# KiCad board austin.kicad_pcb (continued)
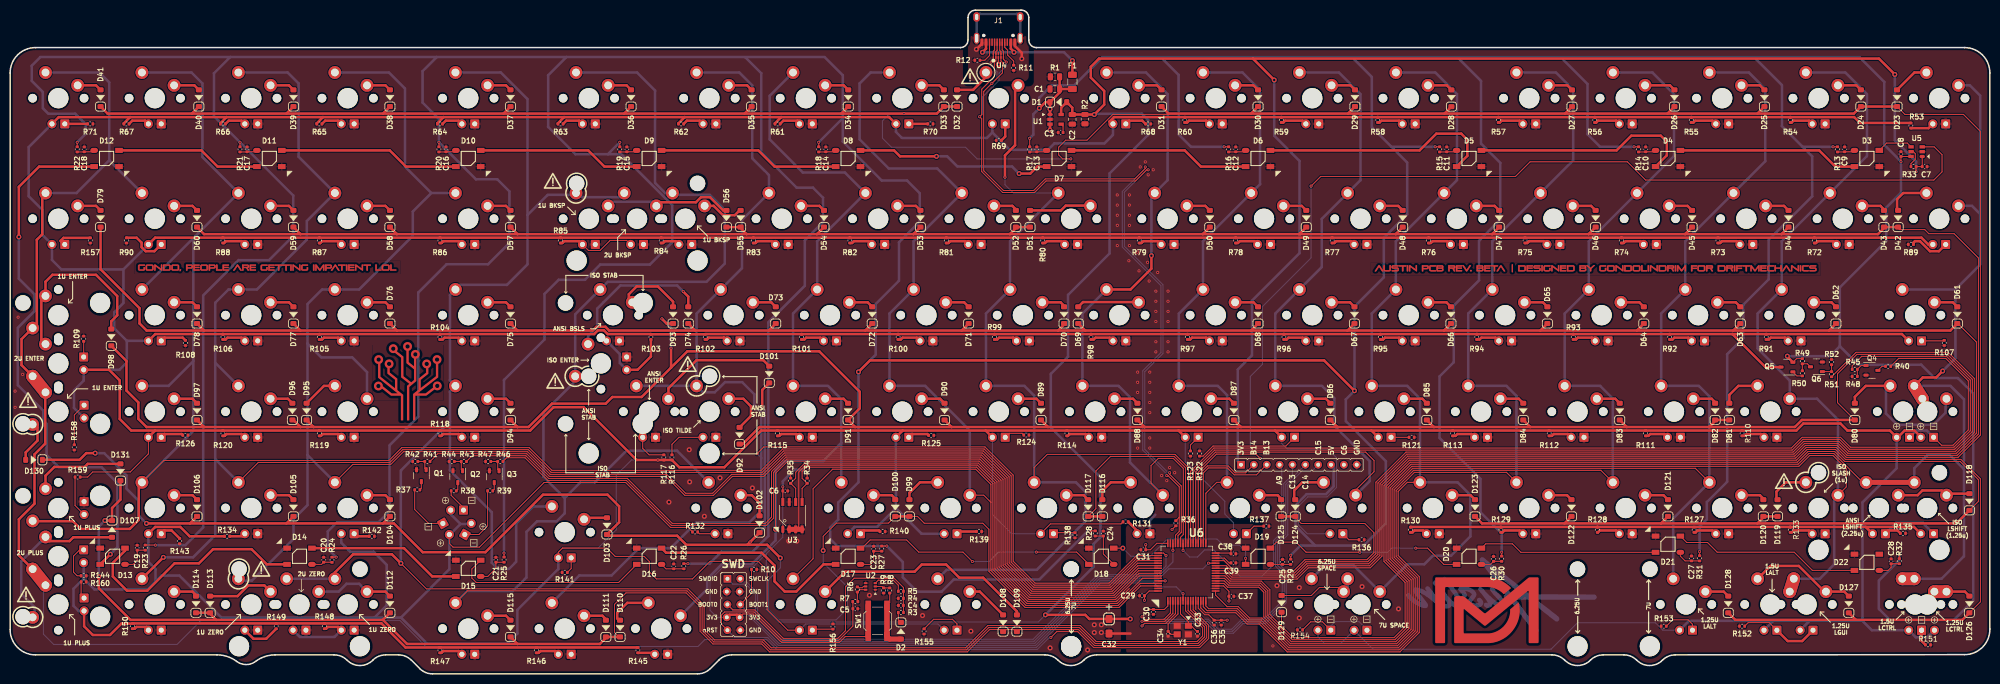
[diagram p0: board, top side]
## Placement (name value [footprint] x y rotation side) (continued)
R97  1k  [R_0402_1005Metric]  232.52 66.57 270 top
R98  1k  [R_0402_1005Metric]  213.47 66.57 270 top
R99  1k  [R_0402_1005Metric]  194.42 66.57 270 top
R100  1k  [R_0402_1005Metric]  175.37 66.57 270 top
R101  1k  [R_0402_1005Metric]  156.32 66.57 270 top
R102  1k  [R_0402_1005Metric]  137.27 66.57 270 top
R103  1k  [R_0402_1005Metric]  126.56 66.57 270 top
R104  1k  [R_0402_1005Metric]  84.89 66.57 270 top
R105  1k  [R_0402_1005Metric]  61.07 66.57 270 top
R106  1k  [R_0402_1005Metric]  42.02 66.57 270 top
R107  1k  [R_0402_1005Metric]  381.99 65.38 90 top
R108  1k  [R_0402_1005Metric]  34.62 65.37 270 top
R109  1k  [R_0402_1005Metric]  14.52 66.21 90 top
R110  1k  [R_0402_1005Metric]  342.06 47.52 270 top
R111  1k  [R_0402_1005Metric]  323.01 47.52 270 top
R112  1k  [R_0402_1005Metric]  303.96 47.52 270 top
R113  1k  [R_0402_1005Metric]  284.91 47.52 270 top
R114  1k  [R_0402_1005Metric]  208.71 47.52 270 top
R115  1k  [R_0402_1005Metric]  151.56 47.52 270 top
R116  1k  [R_0402_1005Metric]  130.71 42.76 90 top
R117  1k  [R_0402_1005Metric]  129.11 42.76 90 top
R118  1k  [R_0402_1005Metric]  84.89 47.52 270 top
R119  1k  [R_0402_1005Metric]  61.07 47.52 270 top
R120  1k  [R_0402_1005Metric]  42.02 47.52 270 top
R121  1k  [R_0402_1005Metric]  276.8 46.74 0 top
R122  1k  [R_0402_1005Metric]  234.91 43.52 90 top
R123  1k  [R_0402_1005Metric]  233.1 43.52 270 top
R124  1k  [R_0402_1005Metric]  200.7 47.19 0 top
R125  1k  [R_0402_1005Metric]  181.91 47.12 0 top
R126  1k  [R_0402_1005Metric]  34.61 47.16 0 top
R127  1k  [R_0402_1005Metric]  332.59 28.47 270 top
R128  1k  [R_0402_1005Metric]  313.49 28.47 270 top
R129  1k  [R_0402_1005Metric]  294.44 28.47 270 top
R130  1k  [R_0402_1005Metric]  276.58 28.47 270 top
R131  1k  [R_0402_1005Metric]  220.31 30.04 0 top
R132  1k  [R_0402_1005Metric]  135.28 28.04 0 top
R133  1k  [R_0402_1005Metric]  351.59 28.47 270 top
R134  1k  [R_0402_1005Metric]  42.86 27.19 0 top
R135  1k  [R_0402_1005Metric]  373.83 27.77 0 top
R136  1k  [R_0402_1005Metric]  266.92 26.49 180 top
R137  1k  [R_0402_1005Metric]  248.1 29.19 0 top
R138  1k  [R_0402_1005Metric]  210.3 27.39 270 top
R139  1k  [R_0402_1005Metric]  191.36 28.12 0 top
R140  1k  [R_0402_1005Metric]  172.31 28.12 0 top
R141  1k  [R_0402_1005Metric]  109.54 20.04 180 top
R142  1k  [R_0402_1005Metric]  71.44 27.19 0 top
R143  1k  [R_0402_1005Metric]  33.48 26.24 90 top
R144  1k  [R_0402_1005Metric]  14.52 19.39 0 top
R145  1k  [R_0402_1005Metric]  123.99 4.66 270 top
R146  1k  [R_0402_1005Metric]  103.94 4.66 270 top
R147  1k  [R_0402_1005Metric]  84.89 4.66 270 top
R148  1k  [R_0402_1005Metric]  62.07 9.42 270 top
R149  1k  [R_0402_1005Metric]  52.55 9.42 270 top
R150  1k  [R_0402_1005Metric]  24.17 9.42 270 top
R151  1k  [R_0402_1005Metric]  378.78 5.74 0 top
R152  1k  [R_0402_1005Metric]  342.06 9.42 180 top
R153  1k  [R_0402_1005Metric]  326.58 9.42 180 top
R154  1k  [R_0402_1005Metric]  254.75 8.69 180 top
R155  1k  [R_0402_1005Metric]  180.5 8.39 270 top
R156  1k  [R_0402_1005Metric]  162.5 9.35 90 top
R157  1k  [R_0402_1005Metric]  15.83 85.62 270 top
R158  1k  [R_0402_1005Metric]  12.67 44.74 270 top
R159  1k  [R_0402_1005Metric]  13.32 38.89 180 top
R160  1k  [R_0402_1005Metric]  14.52 18.19 0 top
SW1  -  [K2-1187SQ-A4SW-06]  171.32 10.47 90 top
SW2  Mechanical_Switch  [MX100]  381 113.72 0 top
SW3  Mechanical_Switch  [MX100]  357.19 113.72 0 top
SW4  Mechanical_Switch  [MX100]  338.14 113.72 0 top
SW5  Mechanical_Switch  [MX100]  319.09 113.72 0 top
SW6  Mechanical_Switch  [MX100]  300.04 113.72 0 top
SW7  Mechanical_Switch  [MX100]  276.22 113.72 0 top
SW8  Mechanical_Switch  [MX100]  257.17 113.72 0 top
SW9  Mechanical_Switch  [MX100]  238.12 113.72 0 top
SW10  Mechanical_Switch  [MX100]  219.07 113.72 0 top
SW11  Mechanical_Switch  [MX100]  195.26 113.72 0 top
SW12  Mechanical_Switch  [MX100]  176.21 113.72 0 top
SW13  Mechanical_Switch  [MX100]  157.16 113.72 0 top
SW14  Mechanical_Switch  [MX100]  138.11 113.72 0 top
SW15  Mechanical_Switch  [MX100]  114.3 113.72 0 top
SW16  Mechanical_Switch  [MX100]  90.49 113.72 0 top
SW17  Mechanical_Switch  [MX100]  66.67 113.72 0 top
SW18  Mechanical_Switch  [MX100]  47.62 113.72 0 top
SW19  Mechanical_Switch  [MX100]  28.57 113.72 0 top
SW20  Mechanical_Switch  [MX100]  9.52 113.72 0 top
SW21  Mechanical_Switch  [MX100]  381 89.91 0 top
SW22  Mechanical_Switch  [MX100]  361.95 89.91 0 top
SW23  Mechanical_Switch  [MX100]  342.9 89.91 0 top
SW24  Mechanical_Switch  [MX100]  323.85 89.91 0 top
SW25  Mechanical_Switch  [MX100]  304.8 89.91 0 top
SW26  Mechanical_Switch  [MX100]  285.75 89.91 0 top
SW27  Mechanical_Switch  [MX100]  266.7 89.91 0 top
SW28  Mechanical_Switch  [MX100]  247.65 89.91 0 top
SW29  Mechanical_Switch  [MX100]  228.6 89.91 0 top
SW30  Mechanical_Switch  [MX100]  209.55 89.91 0 top
SW31  Mechanical_Switch  [MX100]  190.5 89.91 0 top
SW32  Mechanical_Switch  [MX100]  171.45 89.91 0 top
SW33  Mechanical_Switch  [MX100]  152.4 89.91 0 top
SW34  Mechanical_Switch  [MX100]  133.35 89.91 0 top
SW35  Mechanical_Switch  [MX100]  114.3 89.91 0 top
SW36  Mechanical_Switch  [MX100]  90.49 89.91 0 top
SW37  Mechanical_Switch  [MX100]  66.67 89.91 0 top
SW38  Mechanical_Switch  [MX100]  47.62 89.91 0 top
SW39  Mechanical_Switch  [MX100]  28.57 89.91 0 top
SW40  Mechanical_Switch  [MX200]  123.82 89.91 0 top
SW41  Mechanical_Switch  [MX150]  376.24 70.86 0 top
SW42  Mechanical_Switch  [MX100]  352.42 70.86 0 top
SW43  Mechanical_Switch  [MX100]  333.37 70.86 0 top
SW44  Mechanical_Switch  [MX100]  314.32 70.86 0 top
SW45  Mechanical_Switch  [MX100]  295.27 70.86 0 top
SW46  Mechanical_Switch  [MX100]  276.22 70.86 0 top
SW47  Mechanical_Switch  [MX100]  257.17 70.86 0 top
SW48  Mechanical_Switch  [MX100]  238.12 70.86 0 top
SW49  Mechanical_Switch  [MX100]  219.07 70.86 0 top
SW50  Mechanical_Switch  [MX100]  200.02 70.86 0 top
SW51  Mechanical_Switch  [MX100]  180.97 70.86 0 top
SW52  Mechanical_Switch  [MX100]  161.92 70.86 0 top
SW53  Mechanical_Switch  [MX100]  142.87 70.86 0 top
SW54  Mechanical_Switch  [MX_ISOEnter_Horizontal]  116.68 61.34 0 top
SW55  Mechanical_Switch  [MX100]  90.49 70.86 0 top
SW56  Mechanical_Switch  [MX100]  66.67 70.86 0 top
SW57  Mechanical_Switch  [MX100]  47.62 70.86 0 top
SW58  Mechanical_Switch  [MX100]  28.57 70.86 0 top
SW59  Mechanical_Switch  [MX100]  9.52 89.91 0 top
SW60  Mechanical_Switch  [MX175]  373.86 51.81 0 top
SW61  Mechanical_Switch  [MX100]  347.66 51.81 0 top
SW62  Mechanical_Switch  [MX100]  328.61 51.81 0 top
SW63  Mechanical_Switch  [MX100]  309.56 51.81 0 top
SW64  Mechanical_Switch  [MX100]  290.51 51.81 0 top
SW65  Mechanical_Switch  [MX100]  271.46 51.81 0 top
SW66  Mechanical_Switch  [MX100]  252.41 51.81 0 top
SW67  Mechanical_Switch  [MX100]  233.36 51.81 0 top
SW68  Mechanical_Switch  [MX100]  214.31 51.81 0 top
SW69  Mechanical_Switch  [MX100]  195.26 51.81 0 top
SW70  Mechanical_Switch  [MX100]  176.21 51.81 0 top
SW71  Mechanical_Switch  [MX100]  157.16 51.81 0 top
SW72  Mechanical_Switch  [MX100]  138.11 51.81 0 top
SW73  Mechanical_Switch  [MX150]  119.06 70.86 0 top
SW74  Mechanical_Switch  [MX100]  90.49 51.81 0 top
SW75  Mechanical_Switch  [MX100]  66.67 51.81 0 top
SW76  Mechanical_Switch  [MX100]  47.62 51.81 0 top
SW77  Mechanical_Switch  [MX100]  28.57 51.81 0 top
SW78  Mechanical_Switch  [MX200VR]  9.52 61.42 0 top
SW79  Mechanical_Switch  [MX125]  378.62 51.81 0 top
SW80  Mechanical_Switch  [MX100]  185.74 32.76 0 top
SW81  Mechanical_Switch  [MX100]  166.69 32.76 0 top
SW82  Mechanical_Switch  [MX225]  126.21 51.81 0 top
SW83  Mechanical_Switch  [MX175]  140.49 32.76 0 top
SW84  Mechanical_Switch  [MX100]  109.54 28 0 top
SW85  Mechanical_Switch  [MX100]  66.67 32.76 0 top
SW86  Mechanical_Switch  [MX100]  47.62 32.76 0 top
SW87  Mechanical_Switch  [MX100]  28.57 32.76 0 top
SW88  Mechanical_Switch  [MX200VR]  9.52 23.32 0 top
SW89  Mechanical_Switch  [MX150]  185.74 13.71 0 top
SW90  Mechanical_Switch  [MX150]  157.16 13.71 0 top
SW91  Mechanical_Switch  [MX100]  128.59 8.95 0 top
SW92  Mechanical_Switch  [MX100]  109.54 8.95 0 top
SW93  Mechanical_Switch  [MX100]  66.67 13.71 0 top
SW94  Mechanical_Switch  [MX100]  47.62 13.71 0 top
SW95  Mechanical_Switch  [MX100]  28.57 13.71 0 top
SW96  Mechanical_Switch  [MX100]  90.49 8.95 0 top
SW97  Mechanical_Switch  [MX200]  57.15 13.71 0 top
SW98  Mechanical_Switch  [MX100]  223.84 32.76 0 top
SW99  Mechanical_Switch  [MX100]  204.79 32.76 0 top
SW100  Mechanical_Switch  [MX225]  369.09 32.76 0 top
SW101  Mechanical_Switch  [MX125]  378.62 32.76 0 top
SW102  Mechanical_Switch  [MX100]  357.19 32.76 0 top
SW103  Mechanical_Switch  [MX100]  338.14 32.76 0 top
SW104  Mechanical_Switch  [MX100]  319.09 32.76 0 top
SW105  Mechanical_Switch  [MX100]  300.04 32.76 0 top
SW106  Mechanical_Switch  [MX100]  280.99 32.76 0 top
SW107  Mechanical_Switch  [MX100]  261.94 32.76 0 top
SW108  Mechanical_Switch  [MX100]  242.89 32.76 0 top
SW109  Mechanical_Switch  [MX125]  378.62 13.71 0 top
SW110  Mechanical_Switch  [MX125]  354.81 13.71 0 top
SW111  Mechanical_Switch  [MX125]  330.99 13.71 0 top
SW112  Mechanical_Switch  [MX625]  259.56 13.71 0 top
SW113  Mechanical_Switch  [MX150]  376.24 13.71 0 top
SW114  Mechanical_Switch  [MX150]  347.66 13.71 0 top
SW115  Mechanical_Switch  [MX700]  266.7 13.71 0 top
SW116  Mechanical_Switch  [MX100]  9.52 51.81 90 top
SW117  Mechanical_Switch  [MX100]  9.52 70.86 90 top
SW118  Mechanical_Switch  [MX100]  9.52 13.71 90 top
SW119  Mechanical_Switch  [MX100]  9.52 32.76 90 top
U1  SPX3819M5-L-3-3  [SOT-23-5]  206.47 109.55 0 top
U2  2N7002DW  [SOT-363_SC-70-6]  169.92 17.27 180 top
U3  AT24C256C-SSHL-T  [SOIC-8]  154.51 31.26 90 top
U4  TPD4E05U06DQAR  [USON-10_2.5x1.0mm_P0.5mm]  195.18 122.16 90 top
U5  TXS0101  [SOT-23-6]  376.54 103.16 180 top
U6  STM32F401RCT6  [LQFP-64_10x10mm_P0.5mm]  232.4 20.12 90 top
X1  ARM JTAG  [PinHeader_2x5_P2.54mm_Vertical_Staggered]  142.87 13.71 0 top
X2  EXTRA_PINS  [PinHeader_1x10_P2.54mm_Vertical]  254.53 41.32 90 top
Y1  TAXM8M4RFDCET2T  [Crystal_SMD_3225-4Pin_3.2x2.5mm]  231.6 8.66 180 top

## Library data of the parts
C1 C2 = -: Manufacturer: Guangdong Fenghua Advanced Tech; Manufacturer Part Number: 0805B105K500NT; Package: C0805; Specification: 50V 1uF X7R ±10% 0805 MLCC; Vendor Part Number: LCSC C215803; ki_fp_filters: C_*
C3 C36 = -: Manufacturer: Samsung; Manufacturer Part Number: CL05B103KB5NNNC; Package: C0402; Specification: 50V 10nF X7R ±10% 0402 MLCC; Vendor Part Number: LCSC C15195; ki_fp_filters: C_*
C4 = -: Manufacturer: Samsung; Manufacturer Part Number: CL05A106MQ5NUNC; Package: C0402; Specification: 6.3V 10uF X5R ±20% 0402 MLCC; Vendor Part Number: LCSC C15525; ki_fp_filters: C_*
C5-C31 C37 C38 = -: Manufacturer: Samsung; Manufacturer Part Number: CL05B104KB54PNC; Package: C0402; Specification: 50V 100nF X7R ±10% 0402  MLCC; Vendor Part Number: LCSC C307331; ki_fp_filters: C_*
C32 = -: Manufacturer: AVX; Manufacturer Part Number: TAJA106K016RNJ; Package: C3216 (CASE A); Specification: 16V 10uF CASEA Tantallum; Vendor Part Number: LCSC C7171; ki_fp_filters: CP_*
C33 C34 = -: Manufacturer: Guangdong Fenghua Advanced Tech; Manufacturer Part Number: 0402CG150J500NT; Package: C0402; Specification: 50V 15pF C0G ±5% 0402 MLCC; Vendor Part Number: LCSC C1548; ki_fp_filters: C_*
C35 C39 = -: Manufacturer: Samsung; Manufacturer Part Number: CL05A475MP5NRNC; Package: C0402; Specification: 10V 4.7uF X5R ±20% 0402 MLCC; Vendor Part Number: LCSC C23733; ki_fp_filters: C_*
D1 = -: Manufacturer: Changjiang Electronics Tech; Package: SOD-123; Specification: 1A SOD-123 Schottky Barrier Diodes; Vendor Part Number: LCSC C8598; ki_fp_filters: TO-???* *_Diode_* *SingleDiode* D_*
D2 = -: Manufacturer: Semtech; Package: SOD-123; Specification: 400mW 1μA@75V 150mA SOD-123 small-signal witching diode; Vendor Part Number: LCSC C81598; ki_fp_filters: TO-???* *_Diode_* *SingleDiode* D_*
D3-D22 = -: Datasheet: https://cdn-shop.adafruit.com/datasheets/WS2812B.pdf; Description: Intelligente control RGB LED with integrated control circuit; Manufacturer: XINGLIGHT; Package: 5050; Vendor Part Number: LCSC C2843785; ki_fp_filters: LED*WS2812*PLCC*5.0x5.0mm*P3.2mm*
D23-D129 = -: Description: Small signal switching diode; Manufacturer: Semtech; Package: SOD-123; Specification: SOD-123 small signal switching diode; Vendor Part Number: LCSC C81598; ki_fp_filters: TO-???* *_Diode_* *SingleDiode* D_*
D130 D131 = -: Description: Small signal switching diode; Package: SOD-123; Specification: SOD-123 small signal switching diode; Vendor Part Number: LCSC C81598; Manufacturer: Semtech; ki_fp_filters: TO-???* *_Diode_* *SingleDiode* D_*
F1 = -: Manufacturer: TECHFUSE; Package: F1206; Specification: 1A hold, 1.8A trip PTC resettable fuse; Vendor Part Number: LCSC C70082; ki_fp_filters: *Fuse*
GR1-GR3 GR3#2-GR3#4 GR4-GR10 = -: ki_fp_filters: MountingHole*
J1 = -: Datasheet: https://www.usb.org/sites/default/files/documents/usb_type-c.zip; Description: 16-pin USB type C female connector; Manufacturer: Korean Hroparts; Vendor Part Number: LCSC C2760486; ki_fp_filters: USB*C*Receptacle*
Q1-Q4 Q6 = -: Datasheet: https://www.onsemi.com/pub/Collateral/NDS7002A-D.PDF; Manufacturer: Changjiang Electronics Tech; Package: SOT-23; Specification: N-channel signal MOSFET transistor; Vendor Part Number: LCSC C8545; ki_fp_filters: SOT?23*
Q5 = -: Datasheet: http://www.aosmd.com/pdfs/datasheet/AO3401A.pdf; Manufacturer Part Number: Alpha & Omega Semicon; Package: SOT-23; Specification: P-channel power MOSFET transistor; Vendor Part Number: LCSC C15127; ki_fp_filters: SOT?23*
R1 R2 = -: Manufacturer: Uniroyal; Manufacturer Part Number: 0805W8F1003T5E; Package: R0805; Specification: ±1% 125mW Thick Film R0805 Resistors; Vendor Part Number: LCSC C149504; ki_fp_filters: R_*
R3 = -: Manufacturer: Uniroyal; Manufacturer Part Number: 0402WGF3303TCE; Package: R0402; Specification: ±1% 1/16W Thick Film Resistors 50V 0402; Vendor Part Number: LCSC C25778; ki_fp_filters: R_*
R4 = -: Manufacturer: Uniroyal; Manufacturer Part Number: 0402WGF1004TCE; Package: R0402; Specification: ±1% 1/16W Thick Film Resistors 50V 0402; Vendor Part Number: LCSC C26083; ki_fp_filters: R_*
R5 R9 R10 R33 R42 R44 R47-R49 R52 = -: Manufacturer: Uniroyal; Manufacturer Part Number: 0402WGF1002TCE; Package: R0402; Specification: ±1% 1/16W Thick Film Resistors 50V 0402; Vendor Part Number: LCSC C25744; ki_fp_filters: R_*
R6-R8 R41 R43 R45 R46 R50 R51 = -: Manufacturer: Uniroyal; Manufacturer Part Number: 0402WGF1000TCE; Package: R0402; Specification: ±1% 1/16W Thick Film Resistors 50V 0402; Vendor Part Number: LCSC C25076; ki_fp_filters: R_*
R11 R12 = -: Manufacturer: Uniroyal; Manufacturer Part Number: 0402WGF5101TCE; Package: R0402; Specification: ±1% 1/16W Thick Film Resistors 50V 0402; Vendor Part Number: LCSC C25905; ki_fp_filters: R_*
R13-R32 = -: Manufacturer: Uniroyal; Manufacturer Part Number: 0402WGF510KTCE; Package: R0402; Specification: ±1% 1/16W Thick Film Resistors 50V 0402; Vendor Part Number: LCSC C25128; ki_fp_filters: R_*
R34 R35 = -: Manufacturer: Uniroyal; Manufacturer Part Number: 0402WGF4701TCE; Package: R0402; Specification: ±1% 1/16W Thick Film Resistors 50V 0402; Vendor Part Number: LCSC C25900; ki_fp_filters: R_*
R36 = -: Manufacturer: Uniroyal; Manufacturer Part Number: 0402WGF1501TCE; Package: R0402; Specification: ±1% 1/16W Thick Film Resistors 50V 0402; Vendor Part Number: LCSC C25867; ki_fp_filters: R_*
R37-R40 R53-R143 R145-R157 = -: Manufacturer: Uniroyal; Manufacturer Part Number: 0402WGF1001TCE; Package: R0805; Specification: ±1% 1/16W Thick Film Resistors 50V 0402; Vendor Part Number: LCSC C11702; ki_fp_filters: R_*
R144 R158-R160 = -: Package: R0805; Manufacturer: Uniroyal; Manufacturer Part Number: 0402WGF1001TCE; Specification: ±1% 1/16W Thick Film Resistors 50V 0402; Vendor Part Number: LCSC C11702; ki_fp_filters: R_*
SW1 = -: Manufacturer: Korean Hroparts; Package: 5.0x5.0mm; Specification: 5.2mm 1.5mm Round Button SPST; Vendor Part Number: LCSC C92584
SW2 = -: Keycode: ESC
SW3 = -: Keycode: F1
SW4 = -: Keycode: F2
SW5 = -: Keycode: F3
SW6 = -: Keycode: F4
SW7 = -: Keycode: F5
SW8 = -: Keycode: F6
SW9 = -: Keycode: F7
SW10 = -: Keycode: F8
SW11 = -: Keycode: F9
SW12 = -: Keycode: F10
SW13 = -: Keycode: F11
SW14 = -: Keycode: F12
SW15 = -: Keycode: F13
SW16 = -: Keycode: SCRLK
SW17 = -: Keycode: PAUSE
SW18 = -: Keycode: HOME
SW19 = -: Keycode: END
SW20 = -: Keycode: DELETE
SW21 = -: Keycode: GRAVE
SW22 = -: Keycode: 1
SW23 = -: Keycode: 2
SW24 = -: Keycode: 3
SW25 = -: Keycode: 4
SW26 = -: Keycode: 5
SW27 = -: Keycode: 6
SW28 = -: Keycode: 7
SW29 = -: Keycode: 8
SW30 = -: Keycode: 9
SW31 = -: Keycode: 0
SW32 = -: Keycode: MINUS
SW33 = -: Keycode: EQL
SW34 = -: Keycode: LBKSP
SW35 = -: Keycode: RBKSP
SW36 = -: Keycode: INS
SW37 = -: Keycode: NUMLK
SW38 = -: Keycode: NSLS
SW39 = -: Keycode: NMUL
SW40 = -: Keycode: FULLBKSP
SW41 = -: Keycode: TAB
SW42 = -: Keycode: Q
SW43 = -: Keycode: W
SW44 = -: Keycode: E
SW45 = -: Keycode: R
SW46 = -: Keycode: T
SW47 = -: Keycode: Y
SW48 = -: Keycode: U
SW49 = -: Keycode: I
SW50 = -: Keycode: O
SW51 = -: Keycode: P
SW52 = -: Keycode: LBRKT
SW53 = -: Keycode: RBRKT
SW54 = -: Keycode: ISO ENTER
SW55 = -: Keycode: PGUP
SW56 = -: Keycode: N7
SW57 = -: Keycode: N8
SW58 = -: Keycode: N9
SW59 = -: Keycode: NMINUS
SW60 = -: Keycode: FULL CAPS
SW61 = -: Keycode: A
SW62 = -: Keycode: S
SW63 = -: Keycode: D
SW64 = -: Keycode: F
SW65 = -: Keycode: G
SW66 = -: Keycode: H
SW67 = -: Keycode: J
SW68 = -: Keycode: K
SW69 = -: Keycode: L
SW70 = -: Keycode: COLON
SW71 = -: Keycode: QUOTE
SW72 = -: Keycode: ISOTILDE
SW73 = -: Keycode: BSLS
SW74 = -: Keycode: PGDN
SW75 = -: Keycode: N4
SW76 = -: Keycode: N5
SW77 = -: Keycode: N6
SW78 = -: Keycode: NENTER_2U
SW79 = -: Keycode: STEPPEDCAPS
SW80 = -: Keycode: DOT
SW81 = -: Keycode: SLS
SW82 = -: Keycode: ANSI ENTER
SW83 = -: Keycode: RSFT
SW84 = -: Keycode: UP
SW85 = -: Keycode: N1
SW86 = -: Keycode: N2
SW87 = -: Keycode: N3
SW88 = -: Keycode: NPLUS
SW89 = -: Keycode: RALT
SW90 = -: Keycode: RWIN
SW91 = -: Keycode: LEFT
SW92 = -: Keycode: DOWN
SW93 = -: Keycode: L 1U ZERO
SW94 = -: Keycode: R 1U ZERO
SW95 = -: Keycode: N0
SW96 = -: Keycode: RIGHT
SW97 = -: Keycode: 2UZERO
SW98 = -: Keycode: M
SW99 = -: Keycode: COMMA
SW100 = -: Keycode: ANSI (225) SHIFT
SW101 = -: Keycode: ISO (125) SHIFT
SW102 = -: Keycode: ISOSLS
SW103 = -: Keycode: Z
SW104 = -: Keycode: X
SW105 = -: Keycode: C
SW106 = -: Keycode: V
SW107 = -: Keycode: B
SW108 = -: Keycode: N
SW109 = -: Keycode: (625) LCTRL
SW110 = -: Keycode: (625) LWIN
SW111 = -: Keycode: (625) LALT
SW112 = -: Keycode: (625) SPC
SW113 = -: Keycode: (700) RCTRL
SW114 = -: Keycode: (700) LALT
SW115 = -: Keycode: (700) SPC
SW116 = -: Keycode: NENTER_1U_DOWN
SW117 = -: Keycode: NENTER_1U_UP
SW118 = -: Keycode: NPLUS_1U_DOWN
SW119 = -: Keycode: NPLUS_1U_UP
U1 = -: Datasheet: https://datasheet.lcsc.com/lcsc/1810181735_MaxLinear-SPX3819M5-L-3-3-TR_C9055.pdf; Manufacturer: MaxLinear; Package: SOT-23-5; Specification: Fixed 3.3V 700mV @ 500mA SOT-23-5 Low Dropout Regulator; Vendor Part Number: LCSC C9055
U2 = -: Manufacturer: Infineon; Package: SOT-363; Specification: Dual N-channel enhancement mode MOSFET; Vendor Part Number: LCSC C151535
U3 = -: Datasheet: https://datasheet.lcsc.com/lcsc/1809151932_Microchip-Tech-AT24C256C-SSHL-T_C6482.pdf; Manufacturer: Microchip; Package: SOIC-8; Specification: SOIC-8 non-volatile 256Kb (32K x 8) I2C EEPROM; Vendor Part Number: LCSC C6482; ki_fp_filters: DIP*W7.62mm* SOIC*3.9x4.9mm* TSSOP*4.4x3mm*P0.65mm* DFN*3x2mm*P0.5mm*
U4 = -: Manufacturer: Texas Instruments; Package: uSON-10; Vendor Part Number: LCSC C138714; ki_fp_filters: USON*2.5x1.0mm*P0.5mm*
U5 = -: Manufacturer: Texas Instruments; Manufacturer Part Number: TXS0101DBVR; Package: SOT-23-6; Vendor Part Number: LCSC C132604
U6 = -: Datasheet: https://www.st.com/content/ccc/resource/technical/document/datasheet/9e/50/b1/5a/5f/ae/4d/c1/DM00086815.pdf/files/DM00086815.pdf/jcr:content/translations/en.DM00086815.pdf; Manufacturer: STMicroelectronics; Package: LQFP-64, 10x10mm 0.5mm pitch; Specification: 32-bit flash ARM Cortex-M4 84MHz LQFP-64_10x10x05P STMicroelectronics; Vendor Part Number: LCSC C74524
X1 = -: Specification: 2.54mm pitch 2x4 through hole pin header, staggered; ki_fp_filters: Connector*:*_2x??_*
X2 = -: ki_fp_filters: Connector*:*_1x??_*
Y1 = -: Manufacturer: TAE; Package: Y3225_4P; Specification: 8MHz 3225-4P oscillator crystal; Vendor Part Number: LCSC C403948; ki_fp_filters: Crystal*

## Footprints (pads in the part's own frame, mm; a bottom-side part is the same pattern mirrored in y, then rotated)
austin_logo_16x40_plated
  custom 5.381x4.192 smd: 1(0.508,-1.905)
  custom 23.117x15.042 smd: 1(1.778,5.08)
  custom 4.954x4.287 smd: 1(5.588,0.508)
  custom 11.309x6.272 smd: 1(10.287,-1.143)
  custom 1.175x1.223 smd: 1(12.954,2.413)
C_0402_1005Metric
  rrect 0.56x0.62 smd: 1(-0.48,0) 2(0.48,0)
C_0805_2012Metric
  rrect 1x1.45 smd: 1(-0.95,0) 2(0.95,0)
CP_EIA-3216-10_Kemet-I_Pad1.58x1.35mm_HandSolder
  rrect 1.575x1.35 smd: 1(-1.438,0) 2(1.438,0)
Crystal_SMD_3225-4Pin_3.2x2.5mm
  rect 1.4x1.2 smd: 1(-1.1,-0.85) 2(1.1,-0.85) 3(1.1,0.85) 4(-1.1,0.85)
D_SOD-123
  rrect 1x1.2 smd: 1(-1.65,0) 2(1.65,0)
driftmechanics_logo
  custom 14.957x12.998 smd: 1(-1.714,6.86)
  custom 16.668x12.996 smd: 1(9.486,6.46)
Fuse_1206_3216Metric
  rrect 1.25x1.75 smd: 1(-1.4,0) 2(1.4,0)
gondolindrim_circuit-tree_50x15mm
  custom 5.767x12.891 smd: 1(-2.388,1.27)
  custom 6.11x15.478 smd: 1(-0.102,4.521)
  custom 5.652x12.891 smd: 1(3.759,2.54)
K2-1187SQ-A4SW-06
  rect 1.8x1.1 smd: 1(-3.1,1.85) 1(3.1,1.85) 2(-3.1,-1.85) 2(3.1,-1.85)
LED_THT_2.54mm
  round 0.889 smd: (-1.27,0) (1.27,0)
  round 1.778 hole 1.016: A(-1.27,0)
  rrect 1.778x1.778 hole 0.991: K(1.27,0)
LED_WS2812B_5.0x5.0mm_P3.2mm
  rrect 1.5x1 smd: 1(-2.45,1.6)
  trapezoid 1.5x1 smd: 2(-2.45,-1.6) 3(2.45,-1.6) 4(2.45,1.6)
LQFP-64_10x10mm_P0.5mm
  rrect 1.55x0.3 smd: 1(-5.675,3.75)
  trapezoid 1.55x0.3 smd: 2(-5.675,3.25) 3(-5.675,2.75) 4(-5.675,2.25) 5(-5.675,1.75) 6(-5.675,1.25) 7(-5.675,0.75) 8(-5.675,0.25) 9(-5.675,-0.25) 10(-5.675,-0.75) 11(-5.675,-1.25) 12(-5.675,-1.75) 13(-5.675,-2.25) 14(-5.675,-2.75) 15(-5.675,-3.25) 16(-5.675,-3.75) 33(5.675,-3.75) 34(5.675,-3.25) 35(5.675,-2.75) 36(5.675,-2.25) 37(5.675,-1.75) 38(5.675,-1.25) 39(5.675,-0.75) 40(5.675,-0.25) 41(5.675,0.25) 42(5.675,0.75) 43(5.675,1.25) 44(5.675,1.75) 45(5.675,2.25) 46(5.675,2.75) 47(5.675,3.25) 48(5.675,3.75)
  trapezoid 0.3x1.55 smd: 17(-3.75,-5.675) 18(-3.25,-5.675) 19(-2.75,-5.675) 20(-2.25,-5.675) 21(-1.75,-5.675) 22(-1.25,-5.675) 23(-0.75,-5.675) 24(-0.25,-5.675) 25(0.25,-5.675) 26(0.75,-5.675) 27(1.25,-5.675) 28(1.75,-5.675) 29(2.25,-5.675) 30(2.75,-5.675) 31(3.25,-5.675) 32(3.75,-5.675) 49(3.75,5.675) 50(3.25,5.675) 51(2.75,5.675) 52(2.25,5.675) 53(1.75,5.675) 54(1.25,5.675) 55(0.75,5.675) 56(0.25,5.675) 57(-0.25,5.675) 58(-0.75,5.675) 59(-1.25,5.675) 60(-1.75,5.675) 61(-2.25,5.675) 62(-2.75,5.675) 63(-3.25,5.675) 64(-3.75,5.675)
MX100
  round 1.702 hole 1.702 unplated: (-5.08,0) (5.08,0)
  round 1.524 smd: (-2.54,5.08) (3.81,2.54)
  round 3.988 hole 3.988 unplated: (0,0)
  round 2.54 hole 1.524: 1(-2.54,5.08) 2(3.81,2.54)
MX125
  round 1.702 hole 1.702 unplated: (-5.08,0) (5.08,0)
  round 1.524 smd: (-2.54,5.08) (3.81,2.54)
  round 3.988 hole 3.988 unplated: (0,0)
  round 2.54 hole 1.524: 1(-2.54,5.08) 2(3.81,2.54)
MX150
  round 1.702 hole 1.702 unplated: (-5.08,0) (5.08,0)
  round 1.524 smd: (-2.54,5.08) (3.81,2.54)
  round 3.988 hole 3.988 unplated: (0,0)
  round 2.54 hole 1.524: 1(-2.54,5.08) 2(3.81,2.54)
MX175
  round 1.702 hole 1.702 unplated: (-5.08,0) (5.08,0)
  round 1.524 smd: (-2.54,5.08) (3.81,2.54)
  round 3.988 hole 3.988 unplated: (0,0)
  round 2.54 hole 1.524: 1(-2.54,5.08) 2(3.81,2.54)
MX200
  round 3.048 hole 3.048 unplated: (-11.938,6.985) (11.938,6.985)
  round 3.988 hole 3.988 unplated: (-11.938,-8.255) (0,0) (11.938,-8.255)
  round 1.702 hole 1.702 unplated: (-5.08,0) (5.08,0)
  round 1.524 smd: (-2.54,5.08) (3.81,2.54)
  round 2.54 hole 1.524: 1(-2.54,5.08) 2(3.81,2.54)
MX200VR
  round 3.048 hole 3.048 unplated: (-6.985,11.858) (-6.985,-12.018)
  round 1.524 smd: (-5.08,-2.62) (-2.54,3.73)
  round 1.702 hole 1.702 unplated: (0,5) (0,-5.16)
  round 3.988 hole 3.988 unplated: (0,-0.08) (8.255,11.858) (8.255,-12.018)
  round 2.54 hole 1.524: 1(-5.08,-2.62) 2(-2.54,3.73)
MX225
  round 3.048 hole 3.048 unplated: (-11.938,6.985) (11.938,6.985)
  round 3.988 hole 3.988 unplated: (-11.938,-8.255) (0,0) (11.938,-8.255)
  round 1.702 hole 1.702 unplated: (-5.08,0) (5.08,0)
  round 1.524 smd: (-2.54,5.08) (3.81,2.54)
  round 2.54 hole 1.524: 1(-2.54,5.08) 2(3.81,2.54)
MX625
  round 3.048 hole 3.048 unplated: (-50.006,6.985) (50.006,6.985)
  round 3.988 hole 3.988 unplated: (-50.006,-8.255) (0,0) (50.006,-8.255)
  round 1.702 hole 1.702 unplated: (-5.08,0) (5.08,0)
  round 1.524 smd: (-2.54,5.08) (3.81,2.54)
  round 2.54 hole 1.524: 1(-2.54,5.08) 2(3.81,2.54)
MX700
  round 3.048 hole 3.048 unplated: (-57.15,6.985) (57.15,6.985)
  round 3.988 hole 3.988 unplated: (-57.15,-8.255) (0,0) (57.15,-8.255)
  round 1.702 hole 1.702 unplated: (-5.08,0) (5.08,0)
  round 1.524 smd: (-2.54,5.08) (3.81,2.54)
  round 2.54 hole 1.524: 1(-2.54,5.08) 2(3.81,2.54)
MX_ISOEnter_Horizontal
  round 3.048 hole 3.048 unplated: (-6.985,11.938) (-6.985,-11.938)
  round 1.524 smd: (-5.08,-2.54) (-2.54,3.81)
  round 1.702 hole 1.702 unplated: (0,5.08) (0,-5.08)
  round 3.988 hole 3.988 unplated: (0,0) (8.255,11.938) (8.255,-11.938)
  round 2.54 hole 1.524: 1(-5.08,-2.54) 2(-2.54,3.81)
PinHeader_1x10_P2.54mm_Vertical
  rect 1.524x1.524 hole 0.762: 1(0,11.43)
  oval 1.524x1.524 hole 0.762: 2(0,8.89) 3(0,6.35) 4(0,3.81) 5(0,1.27) 6(0,-1.27) 7(0,-3.81) 8(0,-6.35) 9(0,-8.89) 10(0,-11.43)
PinHeader_2x5_P2.54mm_Vertical_Staggered
  rect 1.524x1.524 hole 0.762: 1(-1.206,5.08)
  oval 1.524x1.524 hole 0.762: 2(1.333,5.08) 3(-1.333,2.54) 4(1.206,2.54) 5(-1.206,0) 6(1.333,0) 7(-1.333,-2.54) 8(1.206,-2.54) 9(-1.206,-5.08) 10(1.333,-5.08)
R_0402_1005Metric
  rrect 0.54x0.64 smd: 1(-0.51,0) 2(0.51,0)
R_0805_2012Metric
  rrect 1.025x1.4 smd: 1(-0.912,0) 2(0.912,0)
SOIC-8
  oval 1.55x0.6 smd: 1(-2.7,1.905)
  trapezoid 1.55x0.6 smd: 2(-2.7,0.635) 3(-2.7,-0.635) 4(-2.7,-1.905) 5(2.7,-1.905) 6(2.7,-0.635) 7(2.7,0.635) 8(2.7,1.905)
SOT-23
  rrect 1x0.6 smd: 1(-1.175,0.95) 2(-1.175,-0.95) 3(1.175,0)
SOT-23-5
  rrect 1.06x0.65 smd: 1(-1.1,0.95)
  rect 1.06x0.65 smd: 2(-1.1,0) 3(-1.1,-0.95) 4(1.1,-0.95) 5(1.1,0.95)
SOT-23-6
  rrect 1.06x0.65 smd: 1(-1.1,0.95)
  rect 1.06x0.65 smd: 2(-1.1,0) 3(-1.1,-0.95) 4(1.1,-0.95) 5(1.1,0) 6(1.1,0.95)
SOT-363_SC-70-6
  oval 0.65x0.4 smd: 1(-0.95,0.65)
  rect 0.65x0.4 smd: 2(-0.95,0) 3(-0.95,-0.65) 4(0.95,-0.65) 5(0.95,0) 6(0.95,0.65)
USB_C_Receptacle_Hroparts_TYPE-C-31-M-12
  round 0.65 hole 0.65 unplated: (-2.89,-2.051) (2.89,-2.051)
  rrect 0.6x1.45 smd: A1(-3.25,-0.725) A4(-2.45,-0.725) B1(3.25,-0.725) B4(2.45,-0.725)
  rrect 0.3x1.45 smd: A5(-1.25,-0.725) A6(-0.254,-0.725) A7(0.25,-0.725) A8(1.25,-0.725) B5(1.75,-0.725) B6(0.75,-0.725) B7(-0.75,-0.725) B8(-1.75,-0.725)
  oval 1.1x2.2 hole 0.6x1.7: S(-4.3,-1.5) S(4.3,-1.5)
  oval 1.3x1.9 hole 0.6x1.2: S(-4.3,-5.7) S(4.3,-5.7)
USON-10_2.5x1.0mm_P0.5mm
  rrect 0.55x0.25 smd: 1(-0.385,1)
  rect 0.55x0.25 smd: 2(-0.385,0.5) 4(-0.385,-0.5) 5(-0.385,-1) 6(0.385,-1) 7(0.385,-0.5) 9(0.385,0.5) 10(0.385,1)
  rect 0.55x0.3 smd: 3(-0.385,0) 8(0.385,0)

## Nets
3V3: C2.1 C6.2 C7.1 C29.2 C30.1 C31.1 C32.1 C35.2 C36.2 C37.2 C38.1 D1.2 R2.1 R33.2 R34.1 R35.1 R36.2 SW1.1 U1.5 U3.8 U5.1 U6.1 U6.13 U6.19 U6.32 U6.48 U6.64 X1.7 X1.8 X2.1
5V: C1.2 C8.1 D1.1 F1.1 Q5.2 R1.2 R13.2 R14.2 R15.2 R16.2 R17.2 R18.2 R19.2 R20.2 R21.2 R22.2 R23.2 R24.2 R25.2 R26.2 R27.2 R28.2 R29.2 R30.2 R31.2 R32.2 R49.2 U1.1 U1.3 U5.6 X2.8
